# Altium PCB BoardB.PcbDoc (part 2 of 2)
Units mil, origin at the board's own origin, x right, y up, seen from the top; angles counter-clockwise.
Board outline 1511.25 x 1511.25 mil, 6 copper layers (1 Top (Sig/Pwr), 2 (GND), 3 (Sig/Pwr), 4 (GND/Sig), 5 (GND), 6 Bottom (Sig/Pwr)), stack 68.504 mil thick; 133 components, 105 nets, 647 pads, 439 vias.
Unrouted connection lines stored in the file: 226.
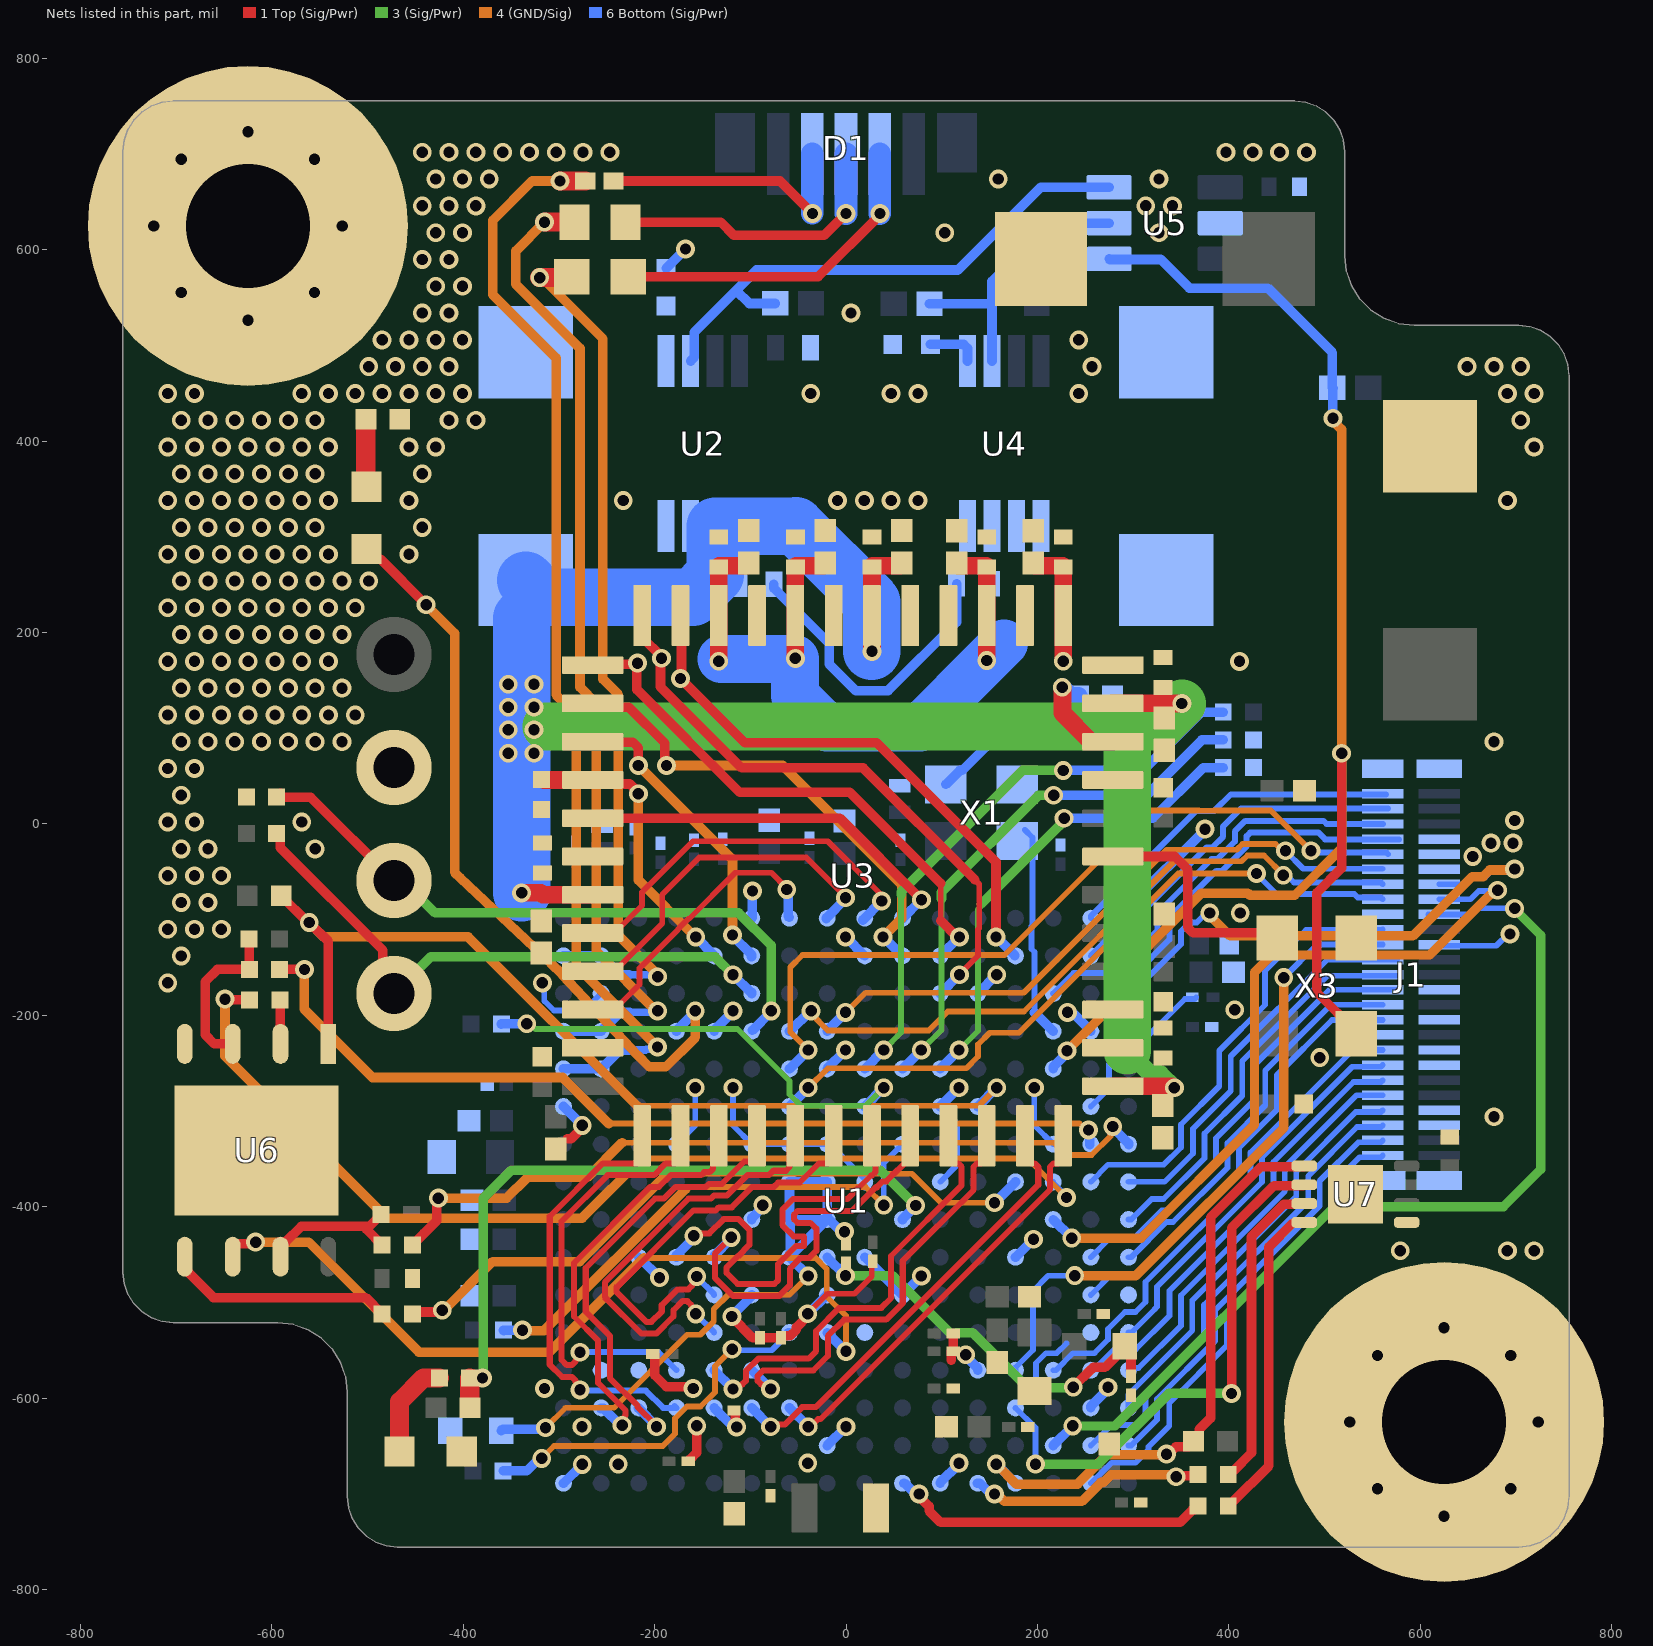
[diagram p6: the nets of this part, all layers, seen from the top]

## Via types
v1: diameter 19.68, hole 11.81, 1 Top (Sig/Pwr) to 6 Bottom (Sig/Pwr), tented both sides, 439 vias

## Nets (pads, with @x,y where several pads share a name; then routed paths per layer and width w, separated by ;. In a path a pad name is that pad's centre, name@x,y a point inside that pad or via, vN(x,y) a via of type N, cw(c..) or ccw(c..) an arc to the next point about the centre after c; other vN are vias at no path point) (continued)
AGND: C1.2 FB2.2 U1.G7 U1.H7 U1.H8 U1.J7 U1.J8 | length 697.3
  4 (GND/Sig) w6: v1(-314,-631) -293.21,-610.21 -242.47,-610.21 -166.14,-533.88 -152.23,-533.88 -138.16,-519.8 -138.16,-507.02 -123.14,-492 -58.93,-492 v1(-39.37,-472.44)
  6 Bottom (Sig/Pwr) w10: FB2.2@-360.43,-634 -358.93,-632.5 -315.5,-632.5 v1(-314,-631) ; v1(-39.37,-472.44) U1.G7@-59.06,-452.76 U1.G7@-58.24,-451.94 ; U1.H8@-20.24,-411.03 -19.96,-411.03 -6.84,-424.15 -3.41,-424.15 v1(-1.55,-426) ; U1.H8@-19.69,-410.47 U1.J8@-19.69,-374.02 U1.J7@-59.06,-374.02 U1.H7@-59.06,-413.39 ; U1.H7@-59.06,-413.39 U1.H8@-19.69,-413.39 U1.G7@-58.24,-451.94 ; U1.H7@-59.06,-413.39 -58.24,-414.2 U1.G7@-58.24,-451.94
CAM_ANA: C6.1 C7.1 C8.1 C9.1 C10.P C65.1 C66.1 C67.1 C68.1 C74.1 U2.1 U2.2 U2.3 U3.1 U3.19 U3.29 U3.36 | length 2219.1
  1 Top (Sig/Pwr) w18.5: v1(-339,-72) -318.94,-72 -317,-73.94 U3.1@-264.76,-73.94 ; v1(27.09,180.39) C66.1@27.09,268.6 27.09,269.39 27.68,269.98 56.19,269.98 58.23,272.02 C7.1@58.23,272.87 ; U3.19@278.94,-273.94 341.13,-273.94 342.85,-275.65 v1(343.17,-275.65) ; U3.29@278.94,126.06 330.44,126.06 332.59,123.91 C8.1@332.59,122.48 ; C8.1@334.59,119.36 334.59,120.72 C8.1@336.75,122.87 ; 334.75,126 v1(351,126)
  3 (Sig/Pwr) w18.5: 294,-237 317.87,-260.87 328.06,-260.87 342.85,-275.65 v1(343.17,-275.65)
  3 (Sig/Pwr) w50: -313,102 296,102 ; 294,-237 294,100 296,102 ; v1(351,126) 327,102 296,102
  6 Bottom (Sig/Pwr) w60: v1(-339,-72) C10.P@-339,215 ; C10.P@-334.65,254.92 -316.81,237.09 -159.91,237.09 -136.81,260.19 U2.2@-136.81,311.39 U2.1@-111.22,311.39 -52.61,311.39 -52.5,311.5 27.09,231.91 v1(27.09,180.39)
  other v1: -353,74 -326,74 -353,98.56 -326,98.56 -353,122 -326,122 -353,146 -326,146
CAM_ANA_EN: R2.1 U2.6 U5.6 | length 574.4
  6 Bottom (Sig/Pwr) w10: U2.6@-162.4,483.89 -158.4,487.89 -158.4,514.15 -114.78,557.78 ; R2.1@-74.02,544.02 -101.02,544.02 -114.78,557.78 ; U5.6@274.93,665.4 203.4,665.4 117,579 -93.56,579 -114.78,557.78
CAM_ANA_NR: C78.1 U2.5
CAM_BIAS: R59.2 U3.28 | length 113.1
  1 Top (Sig/Pwr) w18.5: v1(226,142.84) 226.23,142.62 226.23,115.94 256.1,86.06 U3.28@278.94,86.06
  6 Bottom (Sig/Pwr) w18.5: v1@226,142.52 v1(226,142.84) 234.84,134 R59.2@243,134
CAM_CLK_EN: R4.1 U1.M14 U5.4 X3.1 | length 1532.3
  1 Top (Sig/Pwr) w10: v1(518,74) 518,-46 492,-72 492,-175.86 533.46,-217.32 X3.1@533.46,-219.29
  4 (GND/Sig) w10: v1(231.01,-237) 302.18,-165.83 302.18,-141.47 371.49,-72.16 419.96,-72.16 422.25,-74.45 469.03,-74.45 518,-25.48 v1(518,74) 518,412.38 509,421.38 v1(509,424)
  6 Bottom (Sig/Pwr) w10: U1.M14@216.54,-255.91 216.54,-253.82 231.01,-239.34 v1(231.01,-237) ; U5.4@274.93,590.6 275.53,590 329,590 359,560 441,560 508.3,492.7 R4.1@508.3,456 ; v1(509,424) 508.65,424.35 508.65,454.95 R4.1@509,455.3
CAM_CLK_N: U1.C4 U3.7 | length 457.1
  1 Top (Sig/Pwr) w6.3: v1(-278,-591.37) -278,-587.75 -282.84,-582.91 -282.84,-581.53 -286.54,-577.84 -296.85,-577.84 -309.6,-565.09 -309.6,-528 -309.6,-410.2 -254.12,-354.72 -222.71,-354.72 -219.01,-354.72 -212.91,-348.62 U3.7@-212.91,-325.79
  6 Bottom (Sig/Pwr) w6.3: v1(-278,-591.37) -277.14,-592.23 -209.08,-592.23 -191.07,-610.24 U1.C4@-177.17,-610.24 U1.C4@-179.35,-608.05
CAM_CLK_P: U1.D4 U3.8 | length 458.3
  1 Top (Sig/Pwr) w6.3: v1(-278,-552) -278,-555.62 -282.84,-560.46 -282.84,-561.84 -286.54,-565.53 -291.76,-565.53 -297.3,-559.99 -297.3,-528 -297.3,-415.3 -249.03,-367.03 -200.52,-367.03 -188.22,-354.72 -179.01,-354.72 -172.91,-348.62 U3.8@-172.91,-325.79
  6 Bottom (Sig/Pwr) w6.3: v1(-278,-552) -196.03,-552 U1.D4@-177.17,-570.87
CAM_CLK_PLL_IN: U3.25 X3.3 | length 242.7
  1 Top (Sig/Pwr) w10: U3.25@278.94,-33.94 343.6,-33.94 357,-47.34 357,-107.98 362.86,-113.84 445.34,-113.84 X3.3@450.79,-119.29
CAM_DOUT0_N: U1.C2 U3.9 | length 446.2
  1 Top (Sig/Pwr) w6.3: v1(-234,-628.39) -231.44,-625.83 -231.44,-619.04 -230.41,-618 -230.41,-612.78 -259,-584.19 -259,-540.02 -284.3,-514.72 -284.3,-458.9 -204.73,-379.33 -195.43,-379.33 -183.12,-367.03 -151.48,-367.03 -148.25,-363.79 -142.55,-363.79 -138.86,-360.1 -138.86,-331.73 U3.9@-132.91,-325.79
  6 Bottom (Sig/Pwr) w10: U1.C2@-256.48,-610.84 -253.43,-610.84 -235.88,-628.39 v1(-234,-628.39)
CAM_DOUT0_P: U1.C3 U3.10 | length 472.9
  1 Top (Sig/Pwr) w6.3: v1(-198,-630) -198,-629.19 -218.1,-609.09 -218.1,-607.69 -246.7,-579.09 -246.7,-534.92 -272,-509.62 -272,-464 -199.63,-391.63 -190.33,-391.63 -178.03,-379.33 -146.39,-379.33 -143.16,-376.1 -129.59,-376.1 -106.23,-352.73 -99.01,-352.73 -92.91,-346.63 U3.10@-92.91,-325.79
  6 Bottom (Sig/Pwr) w10: U1.C3@-216.91,-610.09 -216.91,-610.48 -198,-629.39 v1(-198,-630)
CAM_DOUT1_N: U1.E5 U3.11 | length 458.2
  1 Top (Sig/Pwr) w6.3: v1(-157,-512) -157,-508.38 -162.03,-503.35 -162.03,-502.34 -165.72,-498.65 -170.94,-498.65 -180.27,-507.98 -180.27,-514.67 -198.29,-532.69 -213.71,-532.69 -251.99,-494.41 -251.99,-479 -164.62,-391.63 -141.29,-391.63 -138.06,-388.4 -124.5,-388.4 -103.12,-367.03 -80.52,-367.03 -75.9,-362.4 -62.71,-362.4 -59.01,-358.71 -59.01,-331.89 U3.11@-52.91,-325.79
  6 Bottom (Sig/Pwr) w6.3: v1(-157,-512) -157,-512.15 -137.8,-531.35 U1.E5@-137.8,-531.5
CAM_DOUT1_P: U1.F5 U3.12 | length 460.4
  1 Top (Sig/Pwr) w6.3: v1(-156,-473) -156,-476.62 -161.03,-481.65 -161.03,-482.66 -164.72,-486.35 -176.04,-486.35 -192.57,-502.88 -192.57,-509.57 -203.39,-520.39 -208.61,-520.39 -239.69,-489.31 -239.69,-484.09 -159.53,-403.93 -136.2,-403.93 -132.96,-400.7 -119.4,-400.7 -98.03,-379.33 -75.43,-379.33 -70.8,-374.71 -48.2,-374.71 -28.22,-354.72 -19.01,-354.72 -12.91,-348.62 U3.12@-12.91,-325.79
  6 Bottom (Sig/Pwr) w6.3: v1(-156,-473) -156,-473.46 -137.8,-491.67 U1.F5@-137.8,-492.13
CAM_DOUT2_N: U1.G4 U3.13 | length 473.6
  1 Top (Sig/Pwr) w6.3: v1(-159.15,-430.42) -156.59,-427.86 -142.72,-427.86 -127.87,-413.01 -112.13,-413.01 -101.01,-424.13 -101.01,-439.87 -112.72,-451.58 -112.99,-451.58 -124.7,-463.3 -124.7,-469.3 -113.22,-480.77 -74.77,-480.77 -71,-477 -71,-459.81 -52.33,-441.14 -44,-441.14 -44,-431 -54.69,-431 -66.44,-419.25 -66.44,-402.99 -55.54,-392.09 1.34,-392.09 26.1,-367.33 27.21,-367.33 30.9,-363.64 30.9,-329.6 U3.13@27.09,-325.79
  6 Bottom (Sig/Pwr) w10: U1.G4@-177.17,-452.76 -177.17,-450.67 -159.15,-432.66 v1(-159.15,-430.42)
CAM_DOUT2_P: U1.G5 U3.14 | length 444.9
  1 Top (Sig/Pwr) w6.3: v1(-120,-432) -137.01,-449.01 -137.01,-474.39 -118.32,-493.08 -69.68,-493.08 -58.7,-482.1 -58.7,-464.91 -47.24,-453.45 -38.45,-453.45 -31,-446 -31,-423 -37,-417 -50.44,-417 -54.13,-413.31 -54.13,-408.08 -50.44,-404.39 6.44,-404.39 31.2,-379.63 32.31,-379.63 38.48,-373.46 42.25,-373.46 67.09,-348.62 U3.14@67.09,-325.79
  6 Bottom (Sig/Pwr) w10: U1.G5@-137.8,-452.76 -137.8,-451.28 -120,-433.48 v1(-120,-432)
CAM_DOUT3_N: U1.D5 U3.15 | length 459.2
  1 Top (Sig/Pwr) w6.3: v1(-118.11,-590.55) -114.49,-590.55 -109.65,-585.71 -108.27,-585.71 -104.58,-582.02 -104.58,-571.7 -91.57,-558.7 -39.1,-558.7 -31.3,-550.9 -31.3,-529.9 -7.1,-505.7 36.9,-505.7 47,-495.6 47,-451.48 120.94,-377.54 120.94,-358.41 117.24,-354.72 113.19,-354.72 107.09,-348.62 U3.15@107.09,-325.79
  6 Bottom (Sig/Pwr) w10: U1.D5@-137.8,-570.87 v1(-118.11,-590.55)
CAM_DOUT3_P: U1.D6 U3.16 | length 459.2
  1 Top (Sig/Pwr) w6.3: v1(-78.74,-590.55) -82.36,-590.55 -87.2,-585.71 -88.58,-585.71 -92.27,-582.02 -92.27,-576.8 -86.48,-571 -34,-571 -18.99,-555.99 -18.99,-534.99 -2,-518 42,-518 59.3,-500.7 59.3,-456.57 133.24,-382.64 133.24,-358.41 136.93,-354.72 140.99,-354.72 147.09,-348.62 U3.16@147.09,-325.79
  6 Bottom (Sig/Pwr) w10: U1.D6@-98.43,-570.87 v1(-78.74,-590.55)
CAM_MON0: U1.R10 U3.44 | length 505.4
  1 Top (Sig/Pwr) w10: U3.44@-264.76,126.06 -260.66,121.96 -226.96,121.96 -189.38,84.38 -189.38,63.01 v1(-187.52,61.16)
  4 (GND/Sig) w10: v1(-187.52,61.16) -66.16,61.16 58.1,-63.1 58.1,-98.79 v1(38.74,-118.16)
  6 Bottom (Sig/Pwr) w10: v1(38.74,-118.16) 39.08,-118.16 58.43,-137.5 U1.R10@58.43,-138.43
CAM_MON1: U1.R6 U3.45 | length 317.8
  1 Top (Sig/Pwr) w10: U3.45@-264.76,86.06 -264.23,85.53 -222.86,85.53 -217,79.67 v1(-217,61.16)
  4 (GND/Sig) w10: v1(-217,61.16) -118.59,-37.25 v1(-118.59,-115.91)
  6 Bottom (Sig/Pwr) w10: v1(-118.59,-115.91) -118.59,-116.77 -98.8,-136.56 U1.R6@-98.8,-138.8
CAM_PIX: C12.1 C13.1 C14.1 C15.1 C16.P C69.1 C70.1 C71.1 C72.1 C76.1 U3.31 U3.33 U3.38 U3.40 U4.1 U4.2 U4.3 | length 909.8
  1 Top (Sig/Pwr) w18.5: v1(-132.91,170.09) U3.40@-132.91,217.91 C69.1@-132.91,268.62 -132.91,269.41 -132.32,270 -103.87,270 -101.81,272.06 C14.1@-101.81,272.9 ; v1(-52.91,173.09) U3.38@-52.91,217.91 C70.1@-52.91,268.6 -52.91,269.39 -52.32,269.98 -23.81,269.98 -21.77,272.02 C15.1@-21.77,272.86 ; C12.1@115.71,272.8 115.71,272.02 117.73,270 146.5,270 147.09,269.41 C71.1@147.09,268.62 U3.33@147.09,217.91 v1(147.09,170.91) ; C13.1@195.83,272.7 195.83,272 197.84,269.98 226.5,269.98 227.09,269.39 C72.1@227.09,268.6 U3.31@227.09,217.91 v1(227.09,170.09)
  6 Bottom (Sig/Pwr) w50: v1@-130.4,172.6 -53.4,172.6 -53.4,134.4 -20,101 77.17,101 v1(147.09,170.91) 165.09,188.91
CAM_PIX_EN: R3.1 U4.6 U5.5 | length 296.9
  6 Bottom (Sig/Pwr) w10: R3.1@87.2,543.82 150.74,543.82 152.56,542 ; U4.6@152.56,483.89 152.56,542 ; U5.5@274.93,628 213.46,628 152.56,567.1 152.56,542
CAM_PIX_NR: C79.1 U4.5 | length 53.8
  6 Bottom (Sig/Pwr) w10: C79.1@88.19,501.25 122.97,501.25 126.97,497.25 U4.5@126.97,483.89
CAM_RESET: R1.2 U1.R5 U3.46 | length 307.9
  1 Top (Sig/Pwr) w10: U3.46@-264.76,46.06 -260.51,41.81 -225.96,41.81 -217,32.85 v1(-217,31.68)
  1 Top (Sig/Pwr) w18.5: R1.2@-315.6,46.06 U3.46@-264.76,46.06
  4 (GND/Sig) w10: v1(-217,31.68) -217,-58.59 -157.59,-118 v1(-156.97,-118)
  6 Bottom (Sig/Pwr) w10: v1(-156.97,-118) -156.97,-118.31 -137.8,-137.49 U1.R5@-137.8,-137.8
CAM_SPI_CLK: U1.T7 U3.4 | length 310.6
  1 Top (Sig/Pwr) w6: U3.4@-264.76,-193.94 -241.93,-193.94 -215.69,-167.7 -215.69,-150.69 -175.81,-110.81 -175.81,-110.2 -164.78,-99.16 -164.16,-99.16 -116,-51 -78,-51 -61.85,-67.15 v1(-61.85,-68.52)
  6 Bottom (Sig/Pwr) w10: v1(-61.85,-68.52) -60.45,-69.92 -60.45,-96.55 U1.T7@-59.43,-97.57
CAM_SPI_CS: U1.T10 U3.47 | length 407.1
  1 Top (Sig/Pwr) w10: U3.47@-264.76,6.06 -6.35,6.06 78.84,-79.13 v1(78.95,-79.13)
  6 Bottom (Sig/Pwr) w10: U1.T10@59.16,-98.82 59.16,-98.62 78.65,-79.13 v1(78.95,-79.13)
CAM_SPI_MISO: U1.T8 U3.3 | length 379.5
  1 Top (Sig/Pwr) w6: U3.3@-264.76,-153.94 -241.93,-153.94 -192,-104.01 -192,-73.71 -153.29,-35 -41.44,-35 -0.42,-76.02 v1(-0.42,-77)
  6 Bottom (Sig/Pwr) w10: U1.T8@-20.49,-98.86 -20.49,-98.15 -0.42,-78.08 v1(-0.42,-77)
CAM_SPI_MOSI: U1.T9 U3.2 | length 407.5
  1 Top (Sig/Pwr) w6: U3.2@-264.76,-113.94 -241.93,-113.94 -213.24,-85.25 -213.24,-71.24 -160,-18 -19.1,-18 34.64,-71.74 34.64,-77.81 v1(37.26,-80.42)
  6 Bottom (Sig/Pwr) w10: U1.T9@17.57,-100.43 17.57,-100.32 37.26,-80.64 v1(37.26,-80.42)
CAM_SYNC_N: U1.C6 U3.17 | length 471.7
  1 Top (Sig/Pwr) w6.3: v1(-78.74,-629.92) -76.18,-627.36 -63.67,-627.36 -45.85,-609.55 -31.5,-609.55 200.94,-377.11 200.94,-358.41 197.24,-354.72 193.19,-354.72 187.09,-348.62 U3.17@187.09,-325.79
  6 Bottom (Sig/Pwr) w10: U1.C6@-98.43,-610.24 v1(-78.74,-629.92)
CAM_SYNC_P: U1.C7 U3.18 | length 447.6
  1 Top (Sig/Pwr) w6.3: v1(-39.37,-629.92) -37.06,-629.92 -28.99,-621.85 -26.41,-621.85 213.24,-382.2 213.24,-358.41 216.93,-354.72 220.99,-354.72 227.09,-348.62 U3.18@227.09,-325.79
  6 Bottom (Sig/Pwr) w10: U1.C7@-59.06,-610.24 v1(-39.37,-629.92)
CAM_TRIG0: U1.R13 U3.41 | length 582
  1 Top (Sig/Pwr) w10: U3.41@-172.91,217.91 -171.91,216.91 -171.91,153.09 v1(-173,152) -106,85 32,85 156.74,-39.74 v1(156.74,-118.11)
  6 Bottom (Sig/Pwr) w10: v1(156.74,-118.11) 157.11,-118.11 U1.R13@176.43,-137.43
CAM_TRIG1: U1.P11 U3.42 | length 632.9
  1 Top (Sig/Pwr) w6: v1@118.63,-156.96 136.95,-138.64 137.9,-137.69 137.9,-110.3 139.37,-108.83 139.37,-62.93 134.72,-58.28
  1 Top (Sig/Pwr) w10: U3.42@-212.91,217.91 -212.91,195.08 -192.76,174.92 v1(-192.76,173.2) ; v1@-193.76,173 -193.84,172.91 -193.84,143.37 -109.16,58.68 17.76,58.68 134.72,-58.28 ; v1(118.63,-157.48) v1@118.63,-156.96
  6 Bottom (Sig/Pwr) w10: U1.P11@98.43,-177.17 98.68,-177.17 118.37,-157.48 v1(118.63,-157.48)
CAM_TRIG2: U1.R11 U3.43 | length 568.9
  1 Top (Sig/Pwr) w6: 99,-101 99,-62
  1 Top (Sig/Pwr) w10: U3.43@-264.76,166.06 -263.73,167.1 -218.98,167.1 v1(-217.94,168.14) ; v1@-218.57,166.29 -218.57,140.57 -111,33 4,33 99,-62 ; 99,-101 116.16,-118.16 v1(118.63,-118.16)
  6 Bottom (Sig/Pwr) w10: U1.R11@98.43,-137.57 98.93,-137.57 118.35,-118.16 v1(118.63,-118.16)
CFGBVS: R11.1 U1.E7 | length 385.9
  4 (GND/Sig) w6: v1(-318,-663) -305.16,-650.16 -191.51,-650.16 -178.64,-637.28 -178.64,-621.2 -166.28,-608.84 -151.99,-608.84 -136.95,-593.81 -136.95,-566.82 v1(-119,-548.87)
  6 Bottom (Sig/Pwr) w6: v1(-119,-548.87) -117.87,-550 -77.56,-550 -60.28,-532.72 U1.E7@-60.28,-531.5
  6 Bottom (Sig/Pwr) w10: R11.1@-358.25,-676 -333.62,-676 -320.62,-663 v1(-318,-663) ; U1.E7@-60.28,-531.5 U1.E7@-59.06,-531.5
CONF_CLK: U1.C13 U7.2 | length 570.6
  1 Top (Sig/Pwr) w10: v1(402.96,-595.12) v1(402.96,-595.12) 403,-422 447.09,-377.91 478.01,-377.91 U7.2@478.91,-377
  3 (Sig/Pwr) w10: v1(198,-669) 263.54,-669 337.42,-595.12 v1(402.96,-595.12)
  6 Bottom (Sig/Pwr) w6: U1.C13@177.17,-610.24 198,-631.07 v1(198,-669)
CONF_CS: R34.1 U1.A13 U7.1 | length 615.2
  1 Top (Sig/Pwr) w10: v1(334.9,-658.59) 337.03,-658.59 344.79,-650.83 R34.1@357.46,-650.83 ; R34.1@363.28,-645 369.11,-639.17 369.11,-632.73 381,-620.84 381,-411 433.78,-358.22 478.01,-358.22 U7.1@478.91,-357.31
  4 (GND/Sig) w10: v1(157,-669) 177.84,-689.84 242.05,-689.84 272.9,-659 334.49,-659 v1(334.9,-658.59)
  6 Bottom (Sig/Pwr) w10: v1(157,-669) 157.09,-669 177.07,-688.98 U1.A13@177.17,-688.98
CONF_MISO: R38.1 U1.A10 | length 336
  1 Top (Sig/Pwr) w10: v1(76.4,-700.16) 76.4,-702.78 86.81,-713.19 86.81,-717.81 98.84,-729.84 349.16,-729.84 362.14,-716.86 364.14,-716.86 R38.1@368,-713
  6 Bottom (Sig/Pwr) w10: U1.A10@60.17,-688.83 61,-688.83 70.47,-698.3 74.55,-698.3 v1(76.4,-700.16)
CONF_MISO_NR: R38.2 U7.4 | length 336.3
  1 Top (Sig/Pwr) w10: R38.2@399.5,-713 403.35,-709.14 403.63,-709.14 442,-670.77 442,-442 466.72,-417.28 478.01,-417.28 U7.4@478.91,-416.37
CONF_MOSI: R40.1 U1.A12 | length 251.9
  1 Top (Sig/Pwr) w10: v1(345.04,-682.19) 346.14,-681.1 366.9,-681.1 R40.1@368,-680
  4 (GND/Sig) w6: v1@342.85,-680 v1(345.04,-682.19)
  4 (GND/Sig) w10: v1(155.14,-700.16) 157.76,-700.16 165.6,-708 246.52,-708 266.37,-688.16 269.2,-688.16 277.35,-680 v1@342.85,-680
  6 Bottom (Sig/Pwr) w10: U1.A12@137.41,-688.98 139.88,-688.98 149.21,-698.3 153.29,-698.3 v1(155.14,-700.16)
CONF_MOSI_NR: R40.2 U7.3 | length 329.1
  1 Top (Sig/Pwr) w10: R40.2@399.5,-680 403.35,-676.14 404.78,-676.14 423.8,-657.12 423.8,-431.2 457.41,-397.59 478.01,-397.59 U7.3@478.91,-396.68
DONE: R9.2 R10.1 U1.H10 | length 718.8
  1 Top (Sig/Pwr) w20: R10.1@-393.25,-579 -393.25,-609.75 R9.2@-393,-610
  3 (Sig/Pwr) w10: v1(-379.84,-579) -379,-578.16 -379,-391 -350,-362 36,-362 v1(72.81,-398.81)
  6 Bottom (Sig/Pwr) w10: U1.H10@59.06,-413.39 59.06,-412.97 72.81,-399.22 v1(72.81,-398.81)
ENC: M1.1
  other v1: 625,-723.42 555.4,-694.59 694.6,-694.59 526.57,-624.99 723.43,-624.99 555.4,-555.4 694.6,-555.4 625,-526.57 -625,526.57 -694.6,555.4 -555.4,555.4 -723.43,625 -526.57,625 -694.6,694.6 -555.4,694.6 -625,723.43
FLASH_CLK: U1.E8 U6.6 | length 848.7
  1 Top (Sig/Pwr) w10: U6.6@-641,-452.24 -641,-441.84 -638.02,-438.85 -618.85,-438.85 v1(-617,-437)
  4 (GND/Sig) w6: -211.6,-453.6 -31.56,-453.6 -20.24,-464.92 -20.24,-493.76 0,-514 v1(0,-551.18)
  4 (GND/Sig) w10: v1(-617,-437) -561.48,-437 -446.48,-552 -310,-552 -211.6,-453.6
  6 Bottom (Sig/Pwr) w10: U1.E8@-19.69,-531.5 v1(0,-551.18)
FLASH_CS: R27.1 U1.L12 U6.1 | length 1009.3
  1 Top (Sig/Pwr) w10: R27.1@-590.28,-75 -562.28,-103 v1(-561,-103) -541,-123 U6.1@-541,-229.76
  4 (GND/Sig) w6: -218.45,-294.43 138.64,-294.43 v1(157.48,-275.59)
  4 (GND/Sig) w10: v1(-561,-103) -546,-118 -394.88,-118 -218.45,-294.43
  6 Bottom (Sig/Pwr) w10: U1.L12@137.8,-295.28 v1(157.48,-275.59)
FLASH_D0: R33.1 U1.J13 | length 712.8
  1 Top (Sig/Pwr) w10: R33.1@-453.25,-512 -451.26,-510.01 -423.85,-510.01 v1(-422,-508.16)
  4 (GND/Sig) w6: -186.48,-365.48 68.96,-365.48 99.4,-395.92 v1(155.26,-395.92)
  4 (GND/Sig) w10: v1(-422,-508.16) -420.16,-508.16 -369.29,-457.29 -278.29,-457.29 -186.48,-365.48
  6 Bottom (Sig/Pwr) w10: v1(155.26,-395.92) U1.J13@177.17,-374.02
FLASH_D0_NR: R33.2 U6.5 | length 238.5
  1 Top (Sig/Pwr) w10: U6.5@-691,-452.24 -688.94,-454.3 -688.94,-467.06 -661,-495 -501.75,-495 R33.2@-484.75,-512
FLASH_D1: R31.1 U1.J14 | length 1100
  1 Top (Sig/Pwr) w10: v1(-649,-183) -648.5,-183.5 -623.74,-183.5 R31.1@-623.24,-184
  4 (GND/Sig) w6: -213.48,-349.48 189.58,-349.48 v1(230.41,-390.32)
  4 (GND/Sig) w10: v1(-649,-183) -649,-242.5 -479.66,-411.84 -275.84,-411.84 -213.48,-349.48
  6 Bottom (Sig/Pwr) w6: U1.J14@216.54,-374.02 216.54,-375.23 230.41,-389.1 v1(230.41,-390.32)
FLASH_D1_NR: R31.2 U6.2 | length 46.1
  1 Top (Sig/Pwr) w10: R31.2@-591.75,-184 -591.37,-184.37 -591.37,-229.38 U6.2@-591,-229.76
FLASH_D2: R32.1 U1.K15 | length 955.5
  1 Top (Sig/Pwr) w10: R32.1@-592,-152 v1(-566,-152)
  4 (GND/Sig) w6: -248.08,-313 243.93,-313 v1@250.77,-319.85
  4 (GND/Sig) w10: v1(-566,-152) -566,-193.81 -494.89,-264.92 -296.15,-264.92 -248.08,-313 ; v1@250.77,-319.85 v1(253.4,-319.85)
  6 Bottom (Sig/Pwr) w10: v1(253.4,-319.85) 254.65,-321.1 254.65,-335.14 U1.K15@254.86,-335.35
FLASH_D2_NR: R30.1 R32.2 U6.3 | length 172.1
  1 Top (Sig/Pwr) w10: U6.3@-641,-229.76 -660.24,-229.76 -669.84,-220.16 -669.84,-164.84 -657,-152 R32.2@-623.5,-152 -623.62,-151.87 -623.62,-120.13 R30.1@-623.75,-120 R30.1@-623.62,-119.87
FLASH_D3: R29.1 U1.K16 | length 837.4
  1 Top (Sig/Pwr) w10: R29.1@-453.25,-440 -441.11,-427.86 -440.84,-427.86 -427.85,-414.87 -427.85,-392.85 v1(-426,-391)
  4 (GND/Sig) w6: -234,-333 217,-333 230,-346 256.72,-346 276.33,-326.39 276.33,-318.56 v1(278.8,-316.09)
  4 (GND/Sig) w10: v1(-426,-391) -354.71,-391 -333.05,-369.34 -270.34,-369.34 -234,-333
  6 Bottom (Sig/Pwr) w10: v1(278.8,-316.09) 278.8,-317.13 295.43,-333.76 U1.K16@295.43,-335
FLASH_D3_NR: R28.1 R29.2 U6.7 | length 157.8
  1 Top (Sig/Pwr) w10: U6.7@-591,-452.24 -591,-441.33 -586.02,-436.35 -585.21,-436.35 -569.21,-420.35 -504.39,-420.35 ; R28.1@-485.75,-408 -498.1,-420.35 -504.39,-420.35 ; R29.2@-484.75,-440 -501.25,-423.5 -504.39,-420.35
FPGA_CLK: U1.N14 X1.3 | length 223.8
  6 Bottom (Sig/Pwr) w6: X1.3@186.9,-6 195.02,-14.12 195.02,-105.82 193.86,-106.99 193.86,-130.63 197,-133.77 197,-197
  6 Bottom (Sig/Pwr) w10: 197,-197 U1.N14@216.54,-216.54
GND: C2.2 C3.2 C4.2 C5.2 C6.2 C7.2 C8.2 C9.2 C10.N C12.2 C13.2 C14.2 C15.2 C16.N C17.1 C18.1 C19.2 C20.2 C21.2 C22.2 C23.2 C24.2 C25.N C26.2 C27.2 C28.2 C29.2 C30.2 C31.N C32.2 C33.2 C36.2 C37.2 C38.2 C39.2 C40.2 C41.2 C42.2 C43.2 C44.2 C45.2 C46.2 C47.2 C49.2 C50.2 C51.2 C52.2 C53.2 C54.2 C55.2 C56.2 C57.2 C58.2 C59.2 C60.2 C61.2 C63.2 C65.2 C66.2 C67.2 C68.2 C69.2 C70.2 C71.2 C72.2 C73.2 C74.2 C75.2 C76.2 C77.2 C78.2 C79.2 C80.2 C81.1 C83.2 C125.2 C126.2 C127.2 D6.1 FB2.1 J1.3 J1.4 J1.7 J1.8 J1.10 J1.12 J1.15 J1.20 J1.21 J1.22 J1.34 J1.42 J1.MNT J3.1 R1.1 R7.2 R8.2 R15.1 R16.1 R59.1 U1.A1 U1.A11 U1.B8 U1.C5 U1.C15 U1.D2 U1.D3 U1.D12 U1.E9 U1.E15 U1.F6 U1.F8 U1.F10 U1.F16 U1.G3 U1.G9 U1.G13 U1.H6 U1.J9 U1.J11 U1.K4 U1.K6 U1.K7 U1.K8 U1.K14 U1.L1 U1.L11 U1.M8 U1.N5 U1.N15 U1.P2 U1.P12 U1.R9 U1.T6 U1.T16 U2.4 U3.5 U3.20 U3.21 U3.27 U3.30 U3.32 U3.34 U3.35 U3.37 U3.39 U3.48 U4.4 U5.2 U6.4 U6.9 U7.5 U7.9 X1.2 X3.2 | length 2145.7